# Altium PCB roach2.PcbDoc (part 28 of 39) (continued)
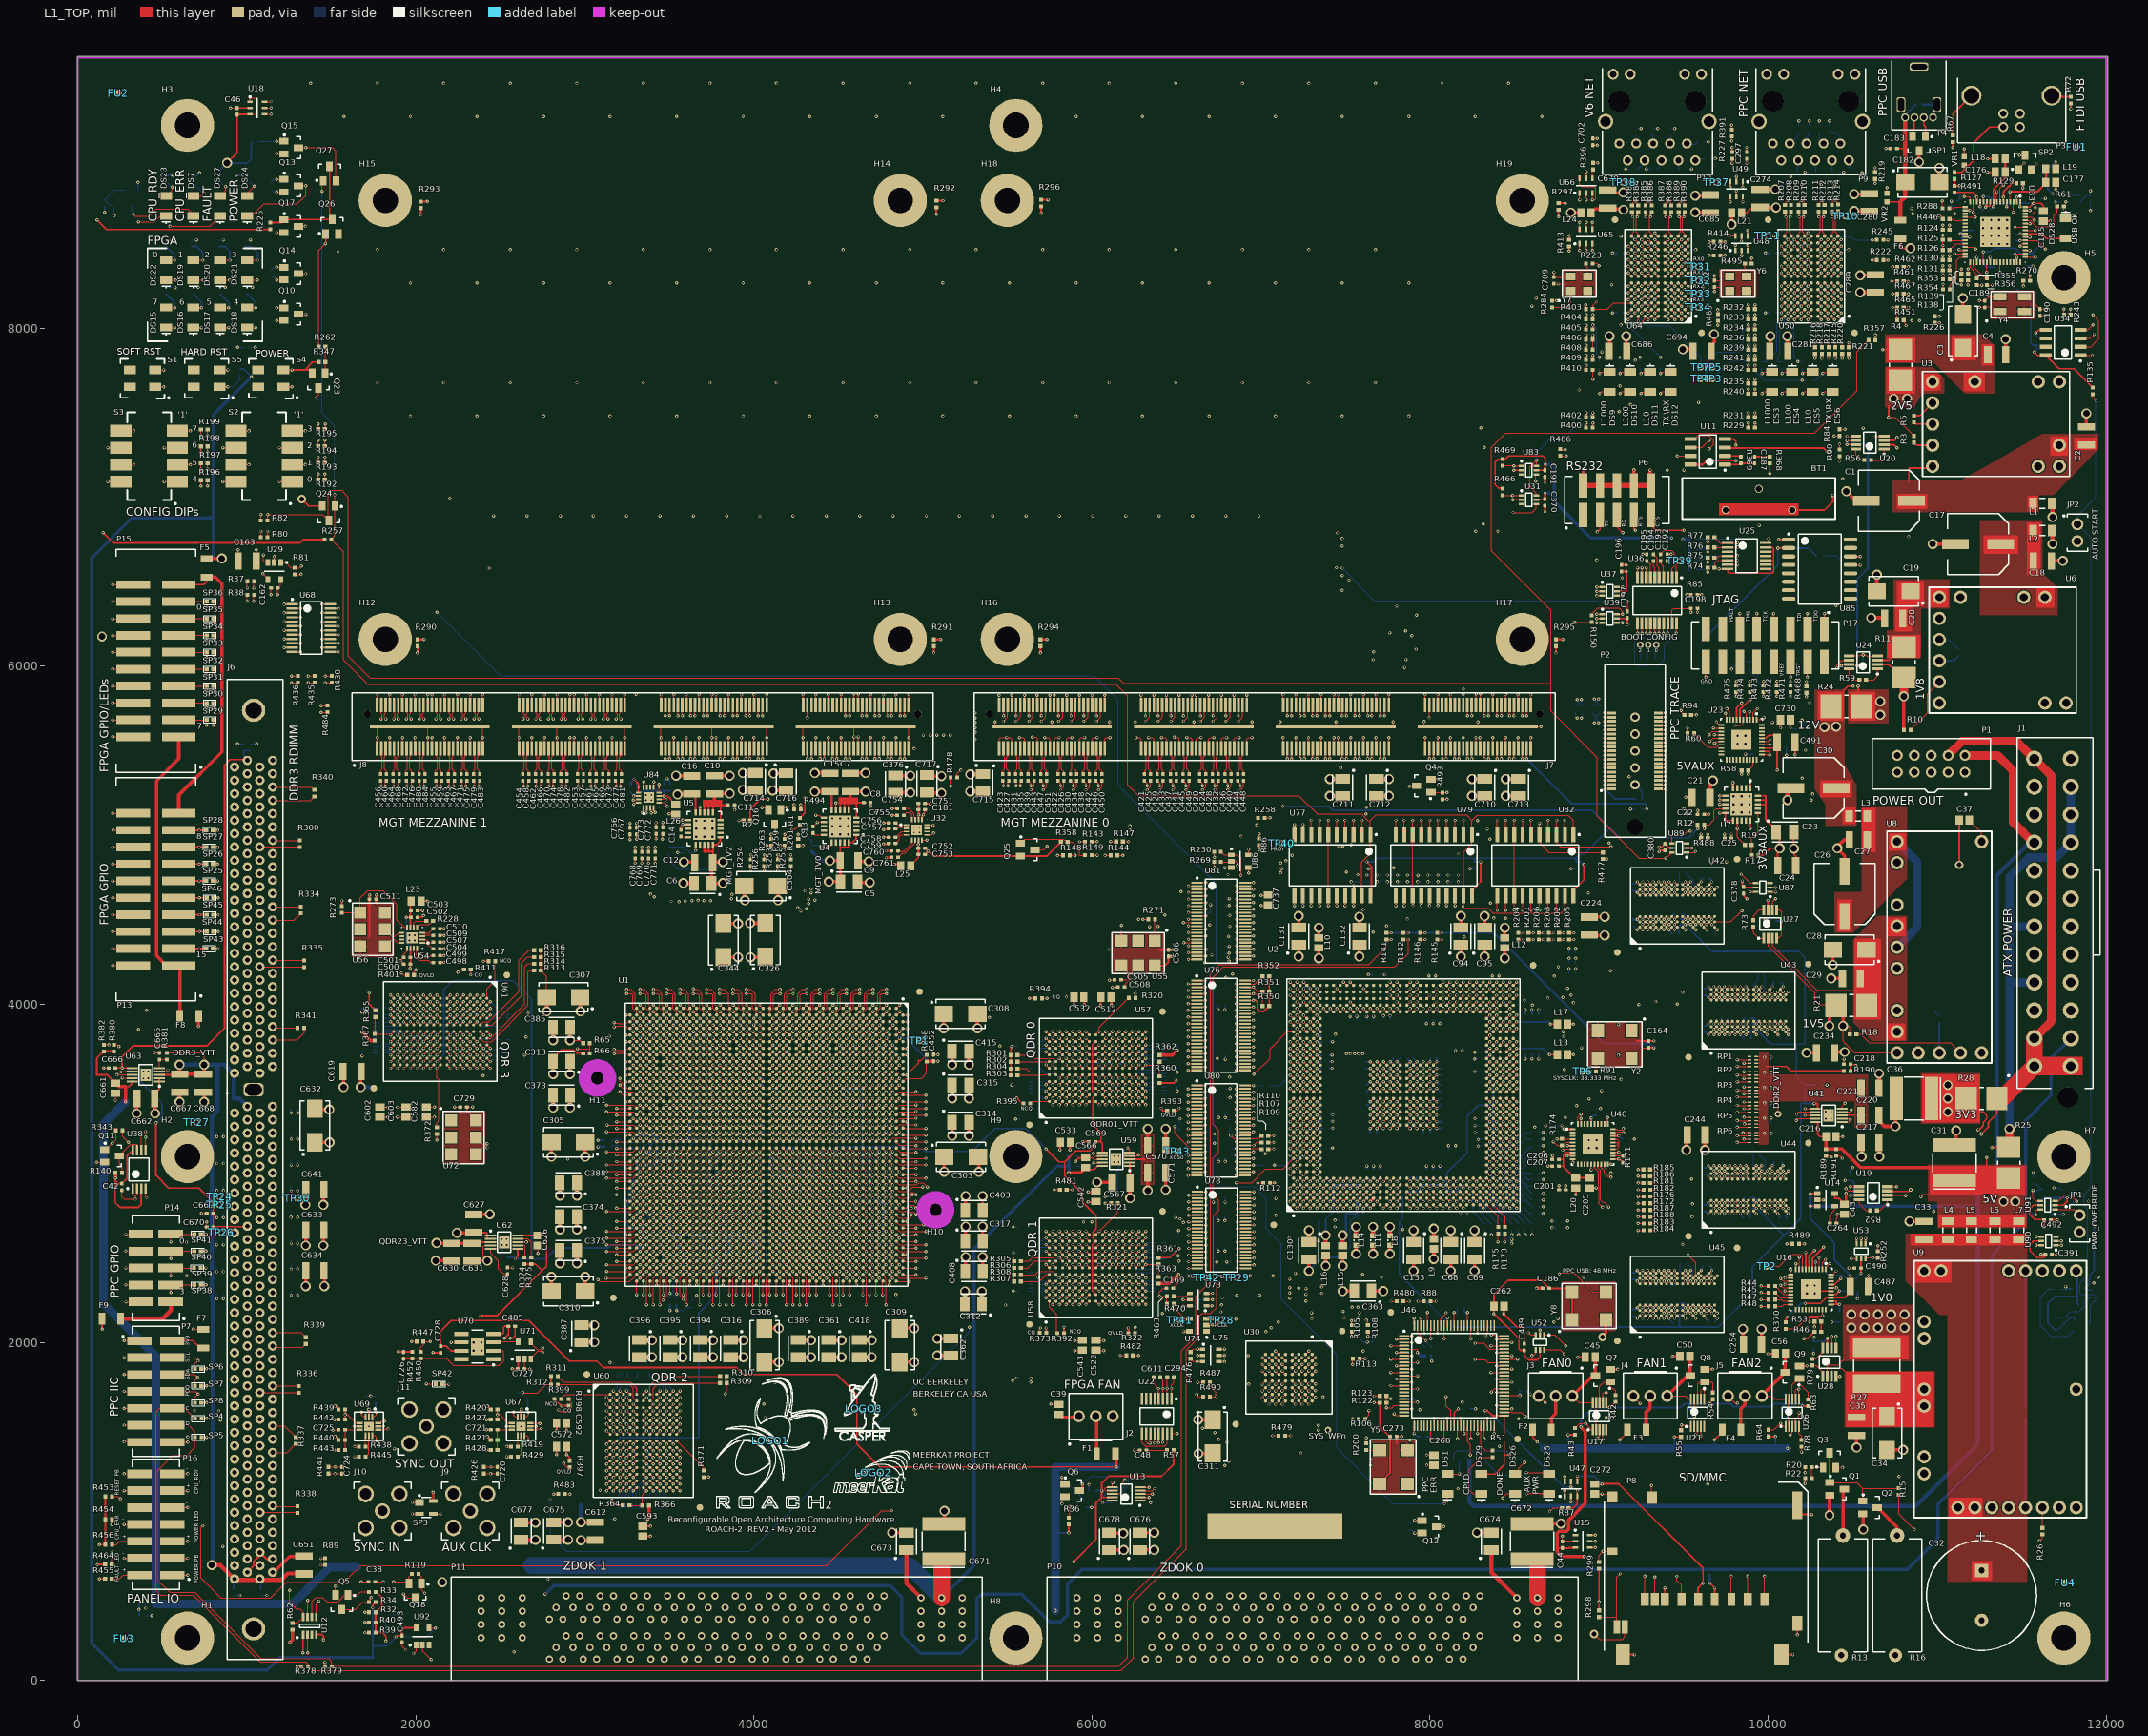
[diagram p0: L1_TOP view]
## Nets (pads, with @x,y where several pads share a name; then routed paths per layer and width w, separated by ;. In a path a pad name is that pad's centre, name@x,y a point inside that pad or via, vN(x,y) a via of type N, cw(c..) or ccw(c..) an arc to the next point about the centre after c; other vN are vias at no path point) (continued)
  L16_BOT w5: RP16.2@5692.68,2582.83 5724.25,2582.83 v1(5728.35,2578.74)
QDR1.A12: RP11.1 U1.M26 U58.R3 | length 2453.4
  L1_TOP w5: U1.M26@4447.92,2990.59 v1(4467.61,2970.9) ; U58.R3@6299.21,2322.83 v1(6318.9,2303.15)
  L14_S w3.8: v1(4467.61,2970.9) 4483.21,2955.3 4905.18,2955.3 4924.86,2935.62 4966.19,2935.62 4975.57,2944.99 5180.99,2944.99 5222.99,2902.99 5396.99,2902.99 5404.99,2894.99 5704.99,2894.99 5722.99,2876.99 5844.99,2876.99 5973.95,2748.03 6015.75,2748.03 6025.59,2738.19 6025.59,2529.53 6035.43,2519.68 6248.03,2519.68 6259.84,2507.87 6259.84,2444.88 6299.21,2405.51 6299.21,2322.83 v1(6318.9,2303.15)
  L16_BOT w5: v1(6318.9,2303.15) 6319.21,2303.46 RP11.1@6373.31,2303.46
QDR1.A13: RP11.3 U1.N25 U58.R4 | length 2699.6
  L1_TOP w5: U1.N25@4408.55,3029.96 v1(4428.24,3010.27) ; U58.R4@6299.21,2362.2 v1(6318.9,2342.52)
  L5_S w3.8: v1(4428.24,3010.27) 4452.01,2986.5 4828.4,2986.5 4879.19,2935.71 4879.19,2622.29 4944.13,2557.35 4944.13,2551.06 4979.22,2515.97 5047.02,2515.97 5106.3,2456.69 5106.3,2440.94 5196.85,2350.39 5196.85,2303.73 5234.22,2266.36 5411.1,2266.36 5472.59,2204.87 5494.65,2204.87 5494.88,2205.1 5518.99,2180.99 6239.27,2180.99 6263.71,2205.43 6263.71,2205.71 6264.99,2206.99 6264.99,2216.88 6263.93,2217.95 6263.93,2313.93 6272.99,2322.99 6299.37,2322.99 v1(6318.9,2342.52)
  L16_BOT w5: v1(6318.9,2342.52) 6319.21,2342.83 RP11.3@6373.31,2342.83
QDR1.A14: RP15.1 U1.A29 U58.R5 | length 1932
  L1_TOP w5: U1.A29@4880.99,2872.48 4881.89,2872.48 4913.2,2872.48 4929.4,2888.68 4942.82,2888.68 v2@4959.02,2872.48 ; U58.R5@6299.21,2401.57 v1(6318.9,2381.89)
  L5_S w3.8: v2@4960.63,2874.02 4960.95,2873.7 4964.57,2870.08 4964.57,2872.48 4964.57,2875.57 4977.49,2888.49 5127.26,2888.49 5169.29,2846.46 5169.29,2704.72 5236.22,2637.8 5598.43,2637.8 5673.08,2563.14 6291.19,2563.14 6299.21,2555.12 6299.21,2401.57 v1(6318.9,2381.89)
  L16_BOT w5: v1(6318.9,2381.89) 6330.47,2393.46 RP15.1@6373.31,2393.46
  other v2: 4959.73,2872.48
QDR1.A15: R274.1 U1.J26 U58.R7 | length 2248.5
  L1_TOP w5: U1.J26@4566.03,2990.59 v1(4585.72,2970.9) ; U58.R7@6299.21,2480.31 v1(6318.9,2500)
  L12_S w3.8: v1(4585.72,2970.9) 4605.13,2951.49 4629.99,2951.49 4641.49,2939.99 4641.49,2921.41 4655.14,2907.76 4670.92,2907.76 4680.06,2898.63 4680.06,2882.84 4694.51,2868.39 4710.29,2868.39 4719.43,2859.26 4719.43,2815.13 4744.54,2790.02 4819.99,2790.02 4820.36,2789.65 4854.08,2789.65 4913.75,2729.99 4949.49,2729.99 4976.49,2702.99 4976.49,2674.99 5057,2594.49 5512.5,2594.49 5701.47,2405.51 6299.21,2405.51 6346.46,2452.76 6346.46,2472.44 v1(6318.9,2500)
  L16_BOT w5: v1(6318.9,2500) 6366.3,2500 R274.1@6373.31,2492.99
QDR1.A16: RP10.2 U1.N24 U58.R8 | length 2422.7
  L1_TOP w5: U1.N24@4408.55,3069.33 v1(4428.24,3049.64) ; U58.R8@6299.21,2519.68 v1(6318.9,2539.37)
  L3_S w3.8: v1(4428.24,3049.64) 4445.54,3049.64 4461.14,3034.04 4508.99,3034.04 4512.04,3030.99 4832.99,3030.99 4839.99,3023.99 4839.99,2921.49 4870.99,2890.49 4966.22,2890.49 4970.71,2886 5159.98,2886 5226.99,2818.99 5376.99,2818.99 5388.99,2830.99 5641.45,2830.99 5751.97,2720.47 5751.97,2523.62 5759.84,2515.75 6295.28,2515.75 v1(6318.9,2539.37)
  L16_BOT w5: v1(6318.9,2539.37) 6332.68,2553.15 RP10.2@6373.31,2553.15
QDR1.A17: RP10.4 U1.P23 U58.R9 | length 2412.3
  L1_TOP w5: U1.P23@4369.18,3108.7 v1(4388.87,3089.01) ; U58.R9@6299.21,2559.05 v1(6318.9,2578.74)
  L3_S w3.8: v1(4388.87,3089.01) 4402.97,3089.01 4418.57,3073.41 4846.07,3073.41 4885.49,3033.99 4885.49,2973.49 4937.99,2920.99 4959.49,2920.99 4985.49,2894.99 5172.9,2894.99 5238.32,2829.57 5367.67,2829.57 5381.09,2842.99 5668.82,2842.99 5787.4,2724.41 5787.4,2566.93 5795.28,2559.06 6299.21,2559.06 v1(6318.9,2578.74)
  L16_BOT w5: v1(6318.9,2578.74) 6332.68,2592.52 RP10.4@6373.31,2592.52
QDR1.A18: RP12.3 U1.L27 U58.A3 | length 2236.3
  L1_TOP w5: U1.L27@4487.29,2951.22 v1(4506.98,2931.53) ; v1(5728.35,2303.15) U58.A3@5748.03,2322.83
  L9_R w3.8: v1(5728.35,2303.15) 5748.03,2322.83 5748.03,2389.76 5775.59,2417.32 5830.71,2417.32 5866.14,2452.76 5866.14,2681.1 5897.64,2712.6 v2(5950.38,2712.6)
  L14_S w3.8: v1(4506.98,2931.53) 4522.58,2915.93 4876.05,2915.93 4895.73,2896.25 4913.14,2896.25 4921.01,2904.12 5139.86,2904.12 5228.99,2814.99 5448.99,2814.99 5486.99,2852.99 5672.99,2852.99 5692.99,2832.99 5792.99,2832.99 5913.39,2712.6 v2(5950.38,2712.6)
  L16_BOT w5: RP12.3@5692.68,2323.15 5708.34,2323.15 v1(5728.35,2303.15)
QDR1.A19: RP16.1 U1.L25 U58.A10 | length 2125.5
  L1_TOP w5: U1.L25@4487.29,3029.96 v1(4506.98,3010.27) ; v1(5728.35,2618.11) U58.A10@5748.03,2598.43
  L5_S w3.8: v1(4506.98,3010.27) 4522.58,2994.67 4848.31,2994.67 4886.99,2955.99 4886.99,2663.49 4895.49,2654.99 4895.49,2628.04 4950.04,2573.49 4985.99,2573.49 5005.68,2553.8 5036.75,2553.8 5066.78,2523.77 5122.05,2468.5 5122.05,2452.76 5236.22,2338.58 5381.89,2338.58 5488.19,2232.28 v2(5488.19,2220.47)
  L9_R w3.8: v2(5488.19,2220.47) 5712.75,2445.03 5712.75,2472.59 5724.56,2484.4 5734.81,2484.4 5743.95,2493.54 5743.95,2602.51 v1(5728.35,2618.11)
  L16_BOT w5: RP16.1@5692.68,2602.52 5712.75,2602.52 v1(5728.35,2618.11)
QDR1.A20: RP12.4 U1.A35 U58.A2 | length 1105.3
  L1_TOP w5: U1.A35@4880.99,2636.26 4881.89,2636.26 v2(4959.73,2636.26) ; v1(5728.35,2263.78) U58.A2@5748.03,2283.46
  L5_S w3.8: v2@4960.95,2637.48 4960.63,2637.8 5074.8,2637.8 5129.92,2582.68 5204.72,2507.87 5204.72,2484.25 5255.91,2433.07 5369.91,2433.07 5539.2,2263.78 5704.71,2263.78 ; 5708.66,2263.78 5704.71,2263.78 ; v1(5728.35,2263.78) 5704.71,2263.78
  L16_BOT w5: RP12.4@5692.68,2303.46 5698.52,2303.46 5709.99,2291.99 5709.99,2282.13 v1(5728.35,2263.78)
QDR1.BWN0: R305.1 U58.B7 | length 224.2
  L1_TOP w5: R305.1@5579.68,2480 5627.56,2480 5647.56,2500 5767.72,2500 U58.B7@5787.4,2480.31
QDR1.BWN1: R306.1 U58.A7 | length 185.4
  L1_TOP w5: R306.1@5579.68,2440 5620.16,2440 5660.47,2480.32 U58.A7@5748.35,2480.32
QDR1.BWN2: R307.1 U58.A5 | length 185.9
  L1_TOP w5: R307.1@5579.68,2360 5690,2360 5731.57,2401.57 U58.A5@5748.35,2401.57
QDR1.BWN3: R308.1 U58.B5 | length 223.9
  L1_TOP w5: R308.1@5579.68,2400 5662.99,2400 5682.99,2420 5769.29,2420 U58.B5@5787.72,2401.57
QDR1.D0: U1.M24 U58.P10 | length 2209.5
  L1_TOP w5: U1.M24@4447.92,3069.33 v1(4467.61,3049.64) ; U58.P10@6259.84,2598.43 v1(6279.53,2618.11)
  L5_S w3.8: v1(4467.61,3049.64) 4486.49,3068.53 4486.49,3104.49 4494.78,3112.78 4837.54,3112.78 4857.25,3132.49 4865.49,3132.49 4868.94,3129.05 4926.55,3129.05 4936.33,3119.26 4936.33,3114.76 4950.04,3101.05 4978.08,3101.05 4990.98,3113.95 5279.75,3113.95 5492.13,2901.57 5732.28,2901.57 5834.65,2799.21 6173.23,2799.21 6299.21,2673.23 6299.21,2637.8 6290.56,2629.14 v1(6279.53,2618.11)
QDR1.D1: U1.P20 U58.N11 | length 2396.5
  L1_TOP w5: U1.P20@4369.18,3226.81 4370.4,3228.03 v1(4388.87,3246.5) ; U58.N11@6220.47,2637.8 v1(6240.16,2657.48)
  L3_S w3.8: v1@4389.76,3248.03 4390.08,3247.71 4413.3,3224.49 4476.99,3224.49 4489.99,3211.49 4489.99,3198.99 4505.99,3182.99 4921.03,3182.99 4928.53,3175.49 4928.53,3148.39 4936.33,3140.59 4936.33,3059.64 4950.04,3045.93 4969.05,3045.93 5005.99,3008.99 5070.99,3008.99 5107.54,2972.45 5415.54,2972.45 5452.99,2934.99 5958.71,2934.99 6000,2893.7 6236.22,2893.7 6287.4,2842.52 6287.4,2704.73 v1(6240.16,2657.48)
QDR1.D2: U1.N21 U58.M11 | length 2132
  L1_TOP w5: U1.N21@4408.55,3187.44 4409.77,3188.66 v1(4428.24,3207.13) ; U58.M11@6181.1,2637.8 v1(6200.79,2657.48)
  L3_S w3.8: v1@4429.13,3208.66 4429.45,3208.34 4480.8,3156.99 4862.99,3156.99 4891.08,3128.91 4891.08,3095.91 4920.73,3066.25 4920.73,3035.87 4950.04,3006.56 4986.36,3006.56 5001.73,2991.19 5046.79,2991.19 5092.99,2944.99 5398.99,2944.99 5436.99,2906.99 5746.55,2906.99 5767.72,2885.83 5893.7,2885.83 5964.57,2814.96 6055.12,2814.96 6062.99,2807.09 6118.11,2807.09 6200.79,2724.41 v1(6200.79,2657.48)
QDR1.D3: U1.F24 U58.K10 | length 1774.5
  L1_TOP w5: U1.F24@4684.14,3069.33 v1(4703.83,3049.64) ; U58.K10@6102.36,2598.43 v1(6122.05,2618.11)
  L5_S w3.8: v1(4703.83,3049.64) 4719.43,3065.24 4941.76,3065.24 4953.27,3053.73 4966.19,3053.73 4978.08,3065.62 5136.48,3065.62 5137.8,3066.93 5181.1,3023.62 5181.1,3007.87 5188.98,3000 5251.97,3000 5338.58,2913.39 5389.76,2913.39 5472.44,2830.71 5712.6,2830.71 5795.28,2748.03 6110.24,2748.03 6145.67,2712.6 6145.67,2641.73 v1(6122.05,2618.11)
QDR1.D4: U1.A25 U58.J11 | length 1498.2
  L1_TOP w5: U1.A25@4881.89,3029.96 v2(4959.73,3029.96) ; U58.J11@6062.99,2637.8 v1(6082.68,2657.48)
  L5_S w3.8: v2@4963.82,3034.05 v2(4959.73,3029.96) 5021.16,3029.96 5036.12,3044.92 5148.78,3044.92 5161.41,3032.28 5161.41,3000.01 5177.17,2984.25 5251.97,2984.25 5335.79,2900.43 5367.67,2900.43 5388.42,2879.67 5388.42,2854.33 5435.66,2807.09 5696.85,2807.09 5775.59,2728.35 6086.61,2728.35 6106.3,2708.66 6106.3,2681.1 6094.49,2669.29 v1(6082.68,2657.48)
QDR1.D5: U1.A26 U58.G11 | length 1293.2
  L1_TOP w5: U1.A26@4880.99,2990.59 4881.89,2990.59 v2(4959.73,2990.59) ; v1(5964.57,2657.48) U58.G11@5984.25,2637.8
  L5_S w3.8: v2(4959.73,2990.59) 5029.1,2990.59 5074.8,2944.88 5232.28,2944.88 5291.34,2885.83 5291.34,2811.02 5338.58,2763.78 5673.23,2763.78 5763.78,2673.23 5948.82,2673.23 5952.76,2669.29 v1(5964.57,2657.48)
QDR1.D6: U1.C25 U58.E10 | length 1464.8
  L1_TOP w5: U1.C25@4802.25,3029.96 v1(4821.94,3010.27) ; v1(5885.83,2618.11) U58.E10@5905.51,2598.43
  L12_S w3.8: v1(4821.94,3010.27) 4839.25,3010.27 4882.7,3053.73 5000.81,3053.73 5012.32,3065.25 5019.49,3065.25 5019.86,3065.62 5037.62,3065.62 5050.74,3078.74 5314.96,3078.74 5488.19,2905.51 5732.28,2905.51 5818.9,2818.9 5877.95,2818.9 5901.57,2795.28 5901.57,2633.86 v1(5885.83,2618.11)
QDR1.D7: U1.B26 U58.D11 | length 1244.6
  L1_TOP w5: U1.B26@4837.69,2990.59 4839.33,2988.94 4839.65,2988.62 4857.37,2970.9 v2(5018.79,2970.9) ; v1(5846.46,2657.48) U58.D11@5866.14,2637.8
  L5_S w3.8: v2@5019.68,2972.44 5020,2972.12 5062.99,2929.13 5148.83,2929.13 5216.46,2861.5 5216.46,2842.59 5224.41,2834.65 5224.41,2759.84 5236.22,2748.03 5606.3,2748.03 5712.45,2641.88 5806.94,2641.88 5807.09,2641.73 5834.65,2641.73 5846.46,2653.54 v1(5846.46,2657.48)
QDR1.D8: U1.P22 U58.C11 | length 1743.7
  L1_TOP w5: U1.P22@4369.18,3148.07 v1(4388.87,3128.38) ; v1(5807.09,2657.48) U58.C11@5826.77,2637.8
  L3_S w3.8: v1@4389.76,3129.92 4390.08,3129.6 4415.07,3104.61 4830.83,3104.61 4897.33,3038.12 4897.33,2993.15 4938.49,2951.99 4938.49,2944.99 4951.99,2931.49 4961.49,2931.49 4988.86,2904.12 5366.12,2904.12 5366.99,2904.99 5408.99,2862.99 5676.38,2862.99 5807.09,2732.28 v1(5807.09,2657.48)
QDR1.D9: U1.M21 U58.N10 | length 2197.6
  L1_TOP w5: U1.M21@4447.92,3187.44 4449.14,3188.66 v1(4467.61,3207.13) ; U58.N10@6220.47,2598.43 v1(6240.16,2618.11)
  L3_S w3.8: v1@4468.5,3208.66 4468.82,3208.34 4508.17,3168.99 4910.73,3168.99 4920.73,3158.99 4920.73,3145.16 4928.53,3137.36 4928.53,3039.1 4953.27,3014.36 4989.59,3014.36 5004.96,2998.99 5058.99,2998.99 5098.99,2958.99 5406.99,2958.99 5444.99,2920.99 5909.72,2920.99 5984.25,2846.46 6114.17,2846.46 6220.47,2740.16 6220.47,2637.8 v1(6240.16,2618.11)
QDR1.D10: U1.M22 U58.M9 | length 2099
  L1_TOP w5: U1.M22@4447.92,3148.07 v1(4467.61,3128.38) ; U58.M9@6181.1,2559.05 v1(6200.79,2578.74)
  L3_S w3.8: v1@4468.5,3129.92 4468.82,3129.6 4485.64,3112.78 4847.2,3112.78 4905.13,3054.85 4905.13,3012.1 4950.04,2967.19 4986.79,2967.19 5014.99,2938.99 5046.99,2938.99 5068.99,2916.99 5376.99,2916.99 5414.99,2878.99 5711.56,2878.99 5751.97,2838.58 5881.89,2838.58 5956.69,2763.78 6086.61,2763.78 6145.67,2704.72 6145.67,2606.3 6153.54,2598.43 6181.1,2598.43 v1(6200.79,2578.74)
QDR1.D11: U1.G24 U58.L9 | length 1822.4
  L1_TOP w5: U1.G24@4644.77,3069.33 v1(4664.46,3049.64) ; U58.L9@6141.73,2559.05 v1(6161.42,2578.74)
  L5_S w3.8: v1(4664.46,3049.64) 4680.06,3034.04 4931.94,3034.04 4951.62,3014.36 5074.62,3014.36 5079.49,3009.49 5079.49,2999.25 5106.29,2972.45 5244.09,2972.45 5314.96,2901.57 5314.96,2822.83 5346.46,2791.34 5688.98,2791.34 5783.46,2696.85 6055.12,2696.85 6067.08,2684.89 6067.08,2651.02 6076.22,2641.88 6080.97,2641.88 6106.45,2616.4 6106.45,2611.65 6115.59,2602.51 6121.9,2602.51 6122.05,2602.36 6137.8,2602.36 v1(6161.42,2578.74)
QDR1.D12: U1.H24 U58.J9 | length 1794.8
  L1_TOP w5: U1.H24@4605.4,3069.33 v1(4625.09,3049.64) ; U58.J9@6062.99,2559.05 v1(6082.68,2578.74)
  L5_S w3.8: v1(4625.09,3049.64) 4648.49,3026.24 4858.99,3026.24 4859.36,3025.87 4876.91,3025.87 4896.22,3006.56 5040.68,3006.56 5090.55,2956.69 5240.16,2956.69 5303.15,2893.7 5303.15,2814.96 5342.52,2775.59 5681.1,2775.59 5771.65,2685.04 6017.72,2685.04 6025.59,2677.17 6025.59,2608.27 6035.43,2598.43 6062.99,2598.43 v1(6082.68,2578.74)
QDR1.D13: U1.F25 U58.G10 | length 1787.7
  L1_TOP w5: U1.F25@4684.14,3029.96 v1(4703.83,3010.27) ; v1(5964.57,2618.11) U58.G10@5984.25,2598.43
  L12_S w3.8: v1(4703.83,3010.27) 4703.83,3010.91 4724.41,3031.5 4724.41,3100.91 4732.49,3108.99 4870.49,3108.99 4901.55,3140.05 4989.44,3140.05 5003.5,3125.98 5338.58,3125.98 5515.75,2948.82 5874.02,2948.82 5956.69,2866.14 5956.69,2759.84 5972.44,2744.09 5972.44,2700.79 5988.19,2685.04 5988.19,2641.73 v1(5964.57,2618.11)
QDR1.D14: U1.E25 U58.F9 | length 1699.6
  L1_TOP w5: U1.E25@4723.51,3029.96 v1(4743.2,3010.27) ; v1(5925.2,2578.74) U58.F9@5944.88,2559.05
  L12_S w3.8: v1(4743.2,3010.27) 4761.99,3029.07 4761.99,3064.99 4768.49,3071.49 4845.49,3071.49 4868.99,3094.99 4898.32,3094.99 4900.21,3093.1 4963.1,3093.1 4980.24,3110.24 5334.65,3110.24 5511.81,2933.07 5846.46,2933.07 5869.04,2910.49 5869.04,2890.8 5934.78,2825.06 5934.78,2697 5944.88,2686.9 5944.88,2598.43 v1(5925.2,2578.74)
QDR1.D15: U1.D26 U58.D10 | length 1324.1
  L1_TOP w5: U1.D26@4762.88,2990.59 v1(4782.57,2970.9) ; v1(5846.46,2618.11) U58.D10@5866.14,2598.43
  L12_S w3.8: v1(4782.57,2970.9) 4799.88,2970.9 4815.48,2955.3 4866.83,2955.3 4886.52,2974.99 4987.49,2974.99 5017.6,2944.88 5331.49,2944.88 5332.2,2945.6 5345.74,2945.6 5444.88,2846.46 5685.04,2846.46 5826.77,2704.72 5826.77,2633.86 5833.46,2627.17 5837.39,2627.17 v1(5846.46,2618.11)
QDR1.D16: U1.D28 U58.C9 | length 1299.5
  L1_TOP w5: U1.D28@4762.88,2911.85 v1(4782.57,2892.16) ; v1(5807.09,2578.74) U58.C9@5826.77,2559.05
  L12_S w3.8: v1(4782.57,2892.16) 4806.34,2868.39 4854.59,2868.39 4866.1,2856.88 4966.19,2856.88 4979.39,2870.08 5188.98,2870.08 5204.72,2854.33 5204.72,2838.58 5259.84,2783.46 5397.64,2783.46 5417.32,2763.78 5590.55,2763.78 5637.8,2716.54 5637.8,2629.92 5708.66,2559.06 5791.34,2559.06 5807.09,2574.8 v1(5807.09,2578.74)
QDR1.D17: U1.E27 U58.B9 | length 1323.3
  L1_TOP w5: U1.E27@4723.51,2951.22 v1(4743.2,2931.53) ; v1(5767.72,2578.74) U58.B9@5787.4,2559.05
  L12_S w3.8: v1(4743.2,2931.53) 4760.51,2931.53 4776.11,2915.93 4800.55,2915.93 4808.72,2907.76 4885.72,2907.76 4897.23,2896.25 5036.28,2896.25 5047.51,2907.48 5273.62,2907.48 5303.15,2877.95 5303.15,2842.52 5334.65,2811.02 5413.39,2811.02 5433.07,2791.34 5637.8,2791.34 5700.79,2728.35 5700.79,2614.17 5712.6,2602.36 5744.09,2602.36 5755.91,2590.55 v1(5767.72,2578.74)
QDR1.D18: U1.F31 U58.B3 | length 1355.7
  L1_TOP w5: U1.F31@4684.14,2793.74 v1(4703.83,2774.05) ; v1(5767.72,2303.15) U58.B3@5787.4,2322.83
  L3_S w3.8: v1(4703.83,2774.05) 4719.43,2789.65 4854.35,2789.65 4933.09,2710.91 5009.5,2710.91 5037.41,2683 5042,2683 ; 5039.86,2682.99 5186.01,2682.99 5219.43,2649.57 5350.41,2649.57 5494.99,2504.99 5570.99,2504.99 5661.42,2414.57 5661.42,2370.08 5708.66,2322.83 5748.03,2322.83 v1(5767.72,2303.15)
QDR1.D19: U1.C33 U58.C3 | length 1305.1
  L1_TOP w5: U1.C33@4802.25,2715 v1(4821.94,2695.31) ; v1(5807.09,2303.15) U58.C3@5826.77,2322.83
  L14_S w3.8: v1@4826.55,2693.14 4823.16,2696.53 4822.84,2696.85 4882.63,2696.85 4927.62,2651.86 4975.33,2651.86 5001.21,2625.98 5145.67,2625.98 5153.54,2618.11 5586.61,2618.11 5610.24,2594.49 5610.24,2429.13 5716.54,2322.83 5787.4,2322.83 5795.28,2314.96 v1(5807.09,2303.15)
QDR1.D20: U1.K28 U58.D2 | length 1765
  L1_TOP w5: U1.K28@4526.66,2911.85 v1(4546.35,2892.16) ; v1(5846.46,2263.78) U58.D2@5866.14,2283.46
  L12_S w3.8: v1(4546.35,2892.16) 4562.32,2876.19 4562.32,2724.99 4576.12,2711.19 4828.12,2711.19 4848,2691.31 4848,2670 4932,2586 4932,2558 4962,2528 4996,2528 5001.77,2522.23 5196.23,2522.23 5214.43,2540.43 5399.57,2540.43 5696,2244 5826.68,2244 v1(5846.46,2263.78)
QDR1.D21: U1.D30 U58.F3 | length 1488.3
  L1_TOP w5: U1.D30@4762.88,2833.11 v1(4782.57,2813.42) ; v1(5925.2,2303.15) U58.F3@5944.88,2322.83
  L3_S w3.8: v1(4782.57,2813.42) 4798.17,2829.02 4872.96,2829.02 4932.01,2769.97 4974.03,2769.97 5040.2,2703.8 5143.17,2703.8 5173.37,2734 5429.99,2734 5582.68,2581.31 5582.68,2555.12 5732.28,2405.51 5775.59,2405.51 5787.4,2393.7 5787.4,2374.02 5799.21,2362.2 5814.96,2362.2 5826.77,2350.39 5826.77,2326.77 5830.71,2322.83 5905.51,2322.83 5913.39,2314.96 v1(5925.2,2303.15)
QDR1.D22: U1.B34 U58.G2 | length 1337.5
  L1_TOP w5: U1.B34@4841.62,2675.63 4861.31,2655.94 v2(5018.79,2655.94) ; v1(5964.57,2263.78) U58.G2@5984.25,2283.46
  L5_S w3.8: v2(5018.79,2655.94) 5076.34,2655.94 5188.98,2543.31 5397.64,2543.31 5622.05,2318.9 5937.01,2318.9 5944.88,2311.02 5944.88,2283.46 5953.54,2274.81 v1(5964.57,2263.78)
QDR1.D23: U1.B33 U58.J3 | length 1452.4
  L1_TOP w5: U1.B33@4841.62,2715 4861.31,2695.31 v2(5003.04,2695.31) ; U58.J3@6062.99,2322.83 v1(6082.68,2303.15)
  L5_S w3.8: v2(5003.04,2695.31) 5016.36,2681.99 5089.66,2681.99 5204.72,2566.93 5443.06,2566.93 5651.87,2358.12 6049.77,2358.12 6058.91,2348.98 6058.91,2326.92 v1(6082.68,2303.15)
QDR1.D24: U1.E35 U58.L3 | length 1876.7
  L1_TOP w5: U1.E35@4723.51,2636.26 v1(4743.2,2616.57) ; U58.L3@6141.73,2322.83 v1(6161.42,2303.15)
  L3_S w3.8: v1(4743.2,2616.57) 4758.8,2600.97 4910.01,2600.97 4937.86,2573.12 4975.33,2573.12 4995.02,2553.43 5034.39,2553.43 5054.83,2532.99 5138.99,2532.99 5327.99,2343.99 5369.99,2343.99 5386.99,2326.99 5386.99,2208.99 5438.5,2157.48 6129.92,2157.48 6181.1,2208.66 6181.1,2283.46 v1(6161.42,2303.15)
QDR1.D25: U1.D36 U58.M3 | length 1879.1
  L1_TOP w5: U1.D36@4762.88,2596.89 v1(4782.57,2577.2) ; U58.M3@6181.1,2322.83 v1(6200.79,2303.15)
  L3_S w3.8: v1(4782.57,2577.2) 4798.17,2561.6 4907.38,2561.6 4954.55,2514.43 5107.55,2514.43 5296.99,2324.99 5296.99,2240.99 5415.94,2122.05 6149.61,2122.05 6220.47,2192.91 6220.47,2283.46 v1(6200.79,2303.15)
QDR1.D26: U1.D37 U58.N2 | length 1879.8
  L1_TOP w5: U1.D37@4762.88,2557.52 v1(4782.57,2537.83) ; U58.N2@6220.47,2283.46 v1(6240.16,2263.78)
  L3_S w3.8: v1(4782.57,2537.83) 4798.17,2553.43 4849.33,2553.43 4900.27,2502.49 4997.17,2502.49 5003.66,2496 5003.66,2492.31 5012.8,2483.17 5117.62,2483.17 5284.99,2315.79 5284.99,2234.99 5413.68,2106.3 6157.48,2106.3 6259.84,2208.66 6259.84,2244.09 v1(6240.16,2263.78)
QDR1.D27: U1.E32 U58.C1 | length 1344.9
  L1_TOP w5: U1.E32@4723.51,2754.37 v1(4743.2,2734.68) ; v1(5807.09,2224.41) U58.C1@5826.77,2244.09
  L3_S w3.8: v1@4744.1,2736.22 4761.23,2719.08 4860.4,2719.08 4888.25,2691.23 4966.45,2691.23 5003.19,2654.49 5003.19,2649.48 5012.32,2640.34 5025.25,2640.34 5037.59,2628 5305.01,2628 5406.99,2526.02 5406.99,2506.99 5440.99,2472.99 5476.99,2472.99 5572.99,2376.99 5583.64,2376.99 5720.47,2240.16 5775.59,2240.16 5791.34,2224.41 ; 5791.49,2224.41 5791.34,2224.41 ; v1(5807.09,2224.41) 5791.34,2224.41
QDR1.D28: U1.G32 U58.D1 | length 1567
  L1_TOP w5: U1.G32@4644.77,2754.37 v1(4664.46,2734.68) ; v1(5846.46,2224.41) U58.D1@5866.14,2244.09
  L3_S w3.8: v1(4664.46,2734.68) 4688.23,2710.91 4716.57,2710.91 4727.6,2699.88 4727.6,2688.85 4736.74,2679.71 4869.27,2679.71 4873.35,2675.63 4926.64,2675.63 4950.04,2652.23 4973.22,2652.23 5013.05,2612.4 5247.58,2612.4 5314.99,2544.99 5314.99,2460.99 5358.99,2416.99 5452.99,2416.99 5496.99,2372.99 5496.99,2288.99 5526.99,2258.99 5559.91,2258.99 5606.3,2212.6 5748.03,2212.6 5751.97,2208.66 5830.71,2208.66 v1(5846.46,2224.41)
QDR1.D29: U1.K27 U58.E2 | length 1793.6
  L1_TOP w5: U1.K27@4526.66,2951.22 v1(4546.35,2931.53) ; v1(5885.83,2263.78) U58.E2@5905.51,2283.46
  L12_S w3.8: v1(4546.35,2931.53) 4570.12,2907.76 4570.12,2728.22 4579.35,2718.99 4839.49,2718.99 4862.49,2695.99 4862.49,2667.49 4952.49,2577.49 4970.99,2577.49 4986.88,2561.6 5042.38,2561.6 5052.8,2551.18 5401.57,2551.18 5673.38,2279.38 5852.92,2279.38 5868.52,2263.78 v1(5885.83,2263.78)
QDR1.D30: U1.G33 U58.G1 | length 1593.1
  L1_TOP w5: U1.G33@4644.77,2715 v1(4664.46,2695.31) ; v1(5964.57,2224.41) U58.G1@5984.25,2244.09
  L14_S w3.8: v1@4665.36,2696.85 4665.68,2696.53 4687.71,2674.49 4747.97,2674.49 4766.97,2655.49 4766.97,2649.48 4776.11,2640.34 4828.4,2640.34 4829.05,2640.99 4863.96,2640.99 4931.83,2573.12 4975.33,2573.12 4995.02,2553.43 5025.25,2553.43 5035.37,2543.31 5200.79,2543.31 5212.6,2555.12 5377.95,2555.12 5413.39,2519.68 5460.63,2519.68 5472.44,2507.87 5472.44,2464.57 5700.79,2236.22 5755.91,2236.22 5759.84,2240.16 5948.82,2240.16 5952.76,2236.22 v1(5964.57,2224.41)
QDR1.D31: U1.H33 U58.J1 | length 1873.7
  L1_TOP w5: U1.H33@4605.4,2715 v1(4625.09,2695.31) ; U58.J1@6062.99,2244.09 v1(6082.68,2224.41)
  L3_S w3.8: v1(4625.09,2695.31) 4648.86,2671.54 4648.86,2649.48 4658,2640.34 4922.56,2640.34 4950.41,2612.49 4985.49,2612.49 5003.64,2594.34 5213.75,2594.34 5288.42,2519.67 5288.42,2488.9 5286.99,2487.47 5286.99,2438.99 5348.99,2376.99 5424.99,2376.99 5446.99,2354.99 5446.99,2232.99 5491.01,2188.98 6051.18,2188.98 6082.68,2220.47 v1(6082.68,2224.41)
QDR1.D32: U1.E33 U58.K2 | length 1637.2
  L1_TOP w5: U1.E33@4723.51,2715 v1(4743.2,2695.31) ; U58.K2@6102.36,2283.46 v1(6122.05,2263.78)
  L14_S w3.8: v1(4743.2,2695.31) 4760.51,2695.31 4783.91,2671.91 4860.57,2671.91 4919.62,2612.86 4958.49,2612.86 4958.86,2612.49 4966.19,2612.49 4982.19,2596.49 5036.49,2596.49 5050.31,2582.68 5188.98,2582.68 5196.85,2590.55 5397.64,2590.55 5437.01,2551.18 5469.8,2551.18 5562.99,2457.99 5562.99,2429.13 5712.6,2279.53 6106.3,2279.53 v1(6122.05,2263.78) ; v1@4744.1,2696.85 v1@4744.42,2696.53
QDR1.D33: U1.C36 U58.M1 | length 1718
  L1_TOP w5: U1.C36@4802.25,2596.89 v1(4821.94,2577.2) ; U58.M1@6181.1,2244.09 v1(6200.79,2224.41)
  L3_S w3.8: v1(4821.94,2577.2) 4911.28,2577.2 4966.25,2522.23 5123.75,2522.23 5310.99,2334.99 5310.99,2248.99 5418.25,2141.73 6149.61,2141.73 6200.79,2192.91 v1(6200.79,2224.41)
QDR1.D34: U1.F34 U58.N1 | length 1832.8
  L1_TOP w5: U1.F34@4684.14,2675.63 v1(4703.83,2655.94) ; U58.N1@6220.47,2244.09 v1(6240.16,2224.41)
  L14_S w3.8: v1@4704.73,2657.48 4704.73,2655.94 4721.68,2638.99 4742.99,2638.99 4765.49,2616.49 4765.49,2611.59 4776.11,2600.97 4780.86,2600.97 4806.34,2575.5 4806.34,2570.74 4815.48,2561.6 4847.46,2561.6 4891.08,2517.99 4891.08,2511.69 4900.21,2502.55 4960.46,2502.55 4969.01,2493.99 4977.99,2493.99 5011.35,2460.63 5423.35,2460.63 5702.88,2181.1 6224.41,2181.1 6240.16,2196.85 v1(6240.16,2224.41)
QDR1.D35: U1.D31 U58.P2 | length 1978.5
  L1_TOP w5: U1.D31@4762.88,2793.74 v1(4782.57,2774.05) ; U58.P2@6260.16,2283.46 v1(6279.84,2263.78)
  L12_S w3.8: v1(5680,2384) 5692,2372 5794.91,2372 5800.62,2366.29 6212.29,2366.29 6224.56,2378.56 6224.56,2388.35 6233.7,2397.49 6246.62,2397.49 6255.76,2388.35 6255.76,2388.24 6262,2382 6262,2372 6270,2364 6286,2364 6300,2350 6300,2283.94 v1(6279.84,2263.78)
  L14_S w3.8: v1(4782.57,2774.05) 4804.62,2752 4838.51,2752 4891.11,2699.4 4908.6,2699.4 4947.97,2660.03 4981.97,2660.03 5002,2640 5590,2640 5630,2600 5630,2470 5680,2420 v1(5680,2384) ; v1@4783.47,2775.59 v1@4783.79,2775.27
QDR1.DOFFN: U1.R25 U58.H1 | length 2415.5
  L1_TOP w5: U1.R25@4329.81,3029.96 v1(4349.5,3010.27) ; U58.H1@6023.62,2244.09 v1(6043.31,2224.41)
  L9_R w3.8: v2(6000,2712.6) 6000,2267.72 v1(6043.31,2224.41)
  L14_S w3.8: v1@4350.39,3011.81 4350.71,3011.49 4366.99,2995.21 4366.99,2956.99 4376.48,2947.5 4895.48,2947.5 4917.99,2924.99 4971.49,2924.99 4980.99,2934.49 4991.81,2934.49 4992.64,2935.32 5033.12,2935.32 5037.45,2930.99 5152.99,2930.99 5217.56,2866.42 5217.56,2850.33 5238.9,2828.99 5436.99,2828.99 5484.99,2876.99 5678.99,2876.99 5702.99,2852.99 5832.05,2852.99 5972.44,2712.6 v2(6000,2712.6)
QDR1.K: U1.B31 U58.B6 | length 1386
  L1_TOP w5: U1.B31@4841.62,2793.74 4861.31,2774.05 4912.49,2774.05 v2(4932.17,2793.74) ; v1(5767.72,2460.63) U58.B6@5787.4,2440.94
  L5_S w3.8: v2(4932.17,2793.74) 4949.42,2776.49 4959.67,2776.49 4975.33,2760.83 4975.33,2756.67 5031.29,2700.71 5110.31,2700.71 5220.47,2590.55 5527.56,2590.55 5633.86,2484.25 5638.26,2484.25 5642.66,2484.25 cw(c5642.66,2479.85) 5647.06,2479.85 5647.06,2434.61 ccw(c5651.46,2434.61) 5651.46,2430.21 ccw(c5651.46,2434.61) 5655.86,2434.61 5655.86,2484.25 5655.86,2498.68 cw(c5660.26,2498.68) 5660.26,2503.08 cw(c5660.26,2498.68) 5664.66,2498.68 5664.66,2484.25 5664.66,2434.61 ccw(c5669.06,2434.61) 5669.06,2430.21 ccw(c5669.06,2434.61) 5673.46,2434.61 5673.46,2484.25 5673.46,2498.68 cw(c5677.86,2498.68) 5677.86,2503.08 cw(c5677.86,2498.68) 5682.26,2498.68 5682.26,2488.65 ccw(c5686.66,2488.65) 5686.66,2484.25 5728,2484.25 5748.03,2484.25 5767.72,2464.57 v1(5767.72,2460.63) ; v2@4933.07,2795.28 v2@4933.39,2794.96
QDR1.KN: U1.F30 U58.A6 | length 1386.1
  L1_TOP w5: U1.F30@4684.14,2833.11 v1(4703.83,2813.42) ; v1(5728.35,2460.63) U58.A6@5748.03,2440.94
  L14_S w3.8: v1(4703.83,2813.42) 4719.43,2829.02 4874.46,2829.02 4927.89,2775.59 4968.5,2775.59 4984.25,2759.84 4984.25,2739.75 5031.09,2692.91 5114.17,2692.91 5157.48,2736.22 5606.3,2736.22 5677.17,2665.35 5677.17,2496.06 5712.6,2460.63 v1(5728.35,2460.63)
QDR1.Q0: U1.M19 U58.P11 | length 2396.5
  L1_TOP w5: U1.M19@4447.92,3266.18 4449.14,3267.4 v1(4467.61,3285.87) ; U58.P11@6259.84,2637.8 v1(6279.53,2657.48)
  L3_S w3.8: v1@4468.5,3287.4 4468.82,3287.08 4493.06,3262.84 4515.13,3262.84 4523.99,3253.98 4523.99,3201.49 4533.96,3191.53 4789.03,3191.53 4789.35,3191.2 4925.78,3191.2 4936.33,3180.65 4936.33,3151.62 4944.13,3143.82 4944.13,3062.87 4953.27,3053.73 4974.75,3053.73 5006.99,3021.49 5072.49,3021.49 5095.92,3044.92 5365.07,3044.92 5457.78,2952.2 5833.78,2952.2 5834.99,2950.99 5962.39,2950.99 6004.73,2908.66 6252.76,2908.66 6307.09,2854.33 6307.09,2685.04 v1(6279.53,2657.48)
QDR1.Q1: U1.K24 U58.M10 | length 1993.8
  L1_TOP w5: U1.K24@4526.66,3069.33 v1(4546.35,3049.64) ; U58.M10@6181.1,2598.43 v1(6200.79,2618.11)
  L5_S w3.8: v1(4546.35,3049.64) 4570.12,3073.41 4828.4,3073.41 4839.92,3084.93 4966.19,3084.93 4977.71,3073.42 5025.25,3073.42 5027.35,3075.52 5144.96,3075.52 5145.67,3074.8 5212.67,3007.8 5255.2,3007.8 5341.74,2921.26 5413.39,2921.26 5484.25,2850.39 5720.47,2850.39 5807.09,2763.78 6153.54,2763.78 6220.47,2696.85 6220.47,2637.8 6212.6,2629.92 v1(6200.79,2618.11)
QDR1.Q2: U1.P21 U58.L11 | length 2125.1
  L1_TOP w5: U1.P21@4369.18,3187.44 4370.4,3188.66 v1(4388.87,3207.13) ; U58.L11@6141.73,2637.8 v1(6161.42,2657.48)
  L3_S w3.8: v1@4389.76,3208.66 4390.08,3208.34 4451.43,3146.99 4828.99,3146.99 4864.99,3110.99 ; 4864.99,3110.96 4912.93,3063.02 4912.93,3015.33 4953.27,2974.99 4990.99,2974.99 5014.49,2951.49 5058.49,2951.49 5078.99,2930.99 5392.99,2930.99 5432.99,2890.99 5734.99,2890.99 5763.78,2862.2 5885.83,2862.2 5960.63,2787.4 6102.36,2787.4 6161.42,2728.35 v1(6161.42,2657.48)
QDR1.Q3: U1.K23 U58.K11 | length 1986.1
  L1_TOP w5: U1.K23@4526.66,3108.7 v1(4546.35,3089.01) ; U58.K11@6102.36,2637.8 v1(6122.05,2657.48)
  L14_S w3.8: v1@4547.24,3090.55 4566.99,3070.8 4566.99,3046.31 4587.31,3025.99 4860.99,3025.99 4861.24,3026.24 4903.49,3026.24 4923.18,3006.56 5029.59,3006.56 5067.95,3044.92 5153.07,3044.92 5174.99,3022.99 5208.99,3022.99 5291.98,2940 5949.76,2940 6043.31,2846.46 6110.24,2846.46 6153.54,2803.15 6153.54,2688.98 v1(6122.05,2657.48)
QDR1.Q4: U1.J25 U58.J10 | length 2214.4
  L1_TOP w5: U1.J25@4566.03,3029.96 v1(4585.72,3010.27) ; U58.J10@6062.99,2598.43 v1(6082.68,2618.11)
  L12_S w3.8: v1(4585.72,3010.27) 4603.49,3028.05 4603.49,3146.49 4619.99,3162.99 4901.99,3162.99 4916.77,3148.22 4966.19,3148.22 4981.65,3163.67 5025.25,3163.67 5039.31,3149.61 5330.71,3149.61 5454.1,3273 5636,3273 5755,3154 5755,3049 5839.43,2964.57 5925.07,2964.57 6059.06,2830.58 6059.06,2811.02 6102.36,2767.72 6102.36,2637.8 v1(6082.68,2618.11)
QDR1.Q5: U1.D25 U58.F11 | length 1506.8
  L1_TOP w5: U1.D25@4762.88,3029.96 v1(4782.57,3010.27) ; v1(5925.2,2657.48) U58.F11@5944.88,2637.8
  L12_S w3.8: v1(4782.57,3010.27) 4806.34,3034.04 4838.04,3034.04 4888.93,3084.93 4966.19,3084.93 4977.71,3073.42 5034.39,3073.42 5055.46,3094.49 5322.83,3094.49 5498.66,2918.66 5805.75,2918.66 5925.2,2799.21 v1(5925.2,2657.48)